# Altium PCB PCB_power_unit_1.PcbDoc
Units mm, origin at the board's own origin, x right, y up, seen from the top; angles counter-clockwise.
Board outline 73.5 x 57.52 mm, 4 copper layers (Top Layer, INT1, INT2, Bottom Layer), stack 1.49 mm thick; 98 components, 48 nets, 323 pads, 57 vias.
Unrouted connection lines stored in the file: 201.
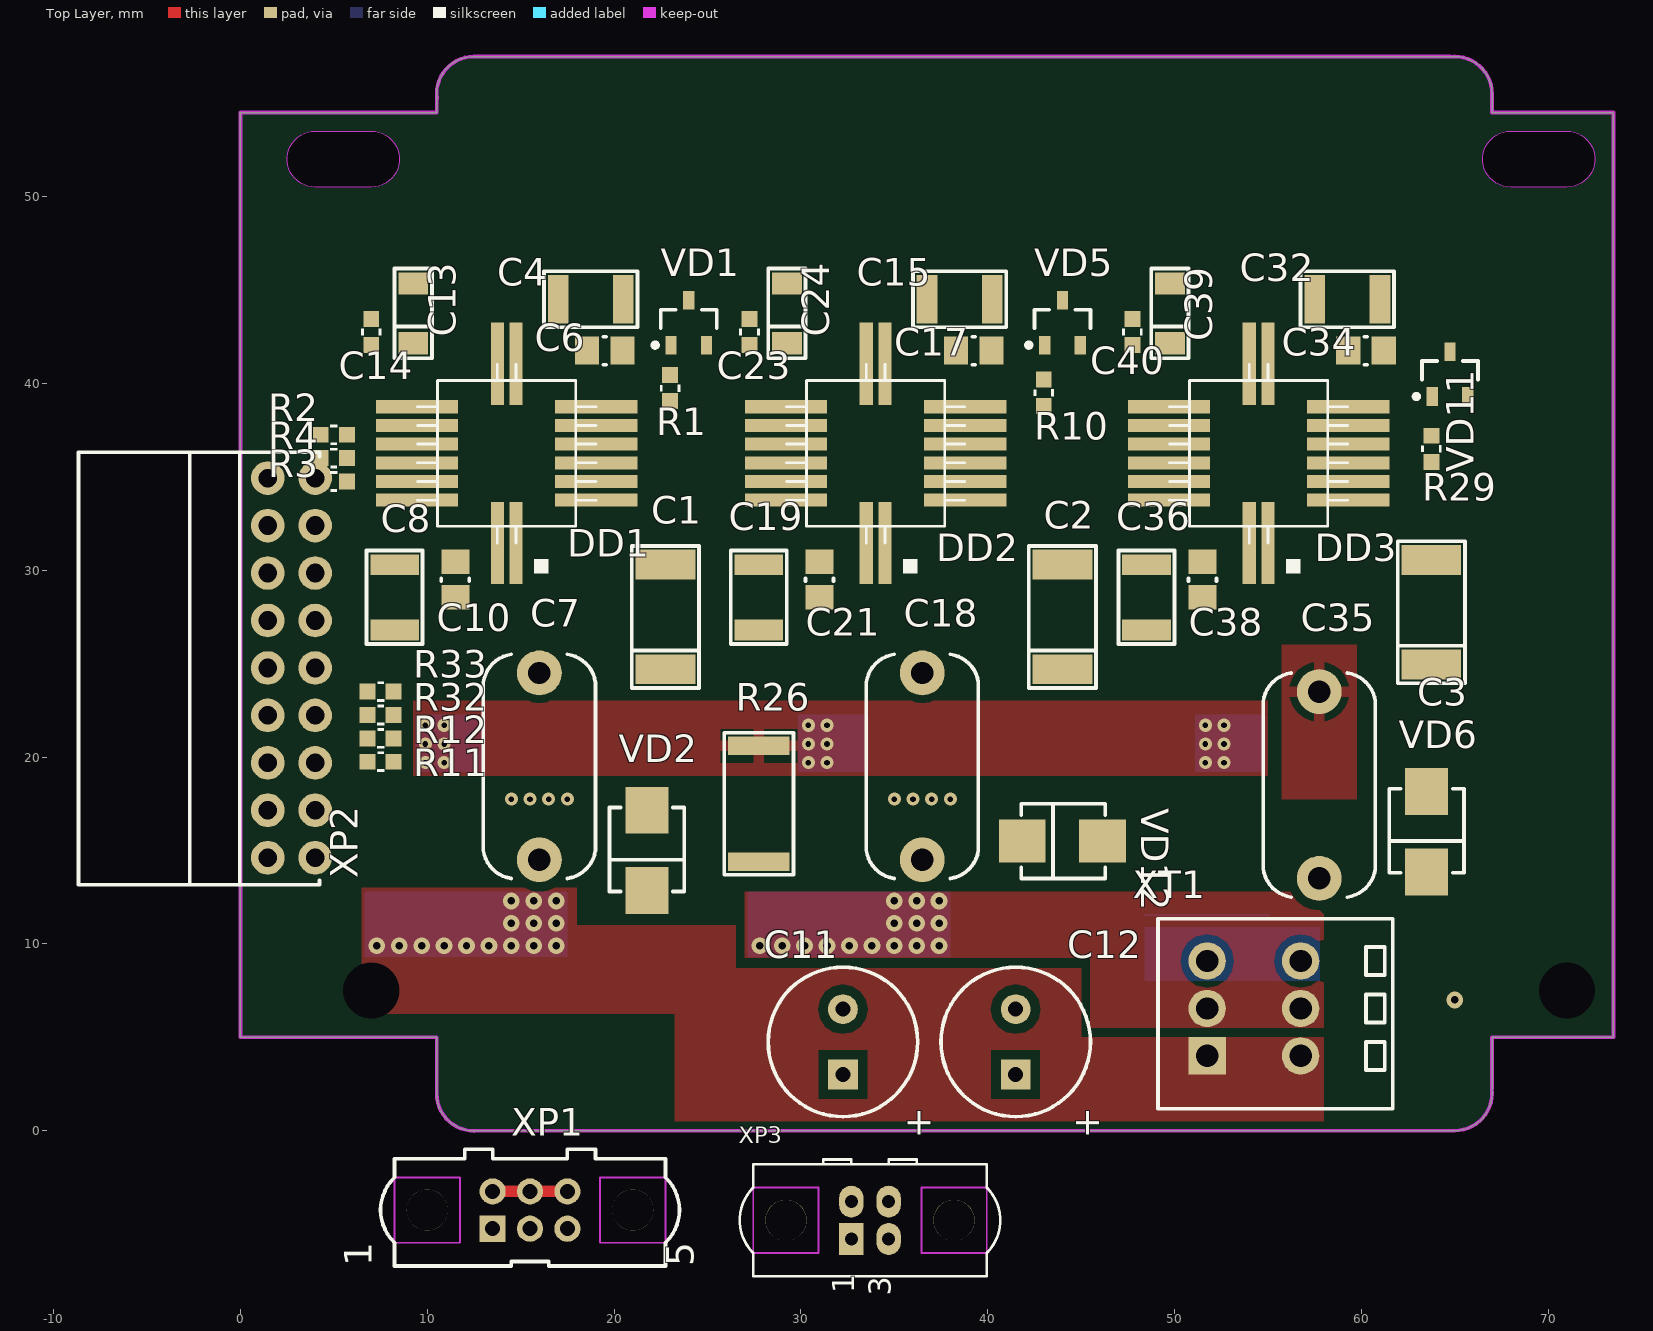
[diagram p0: Top Layer view]
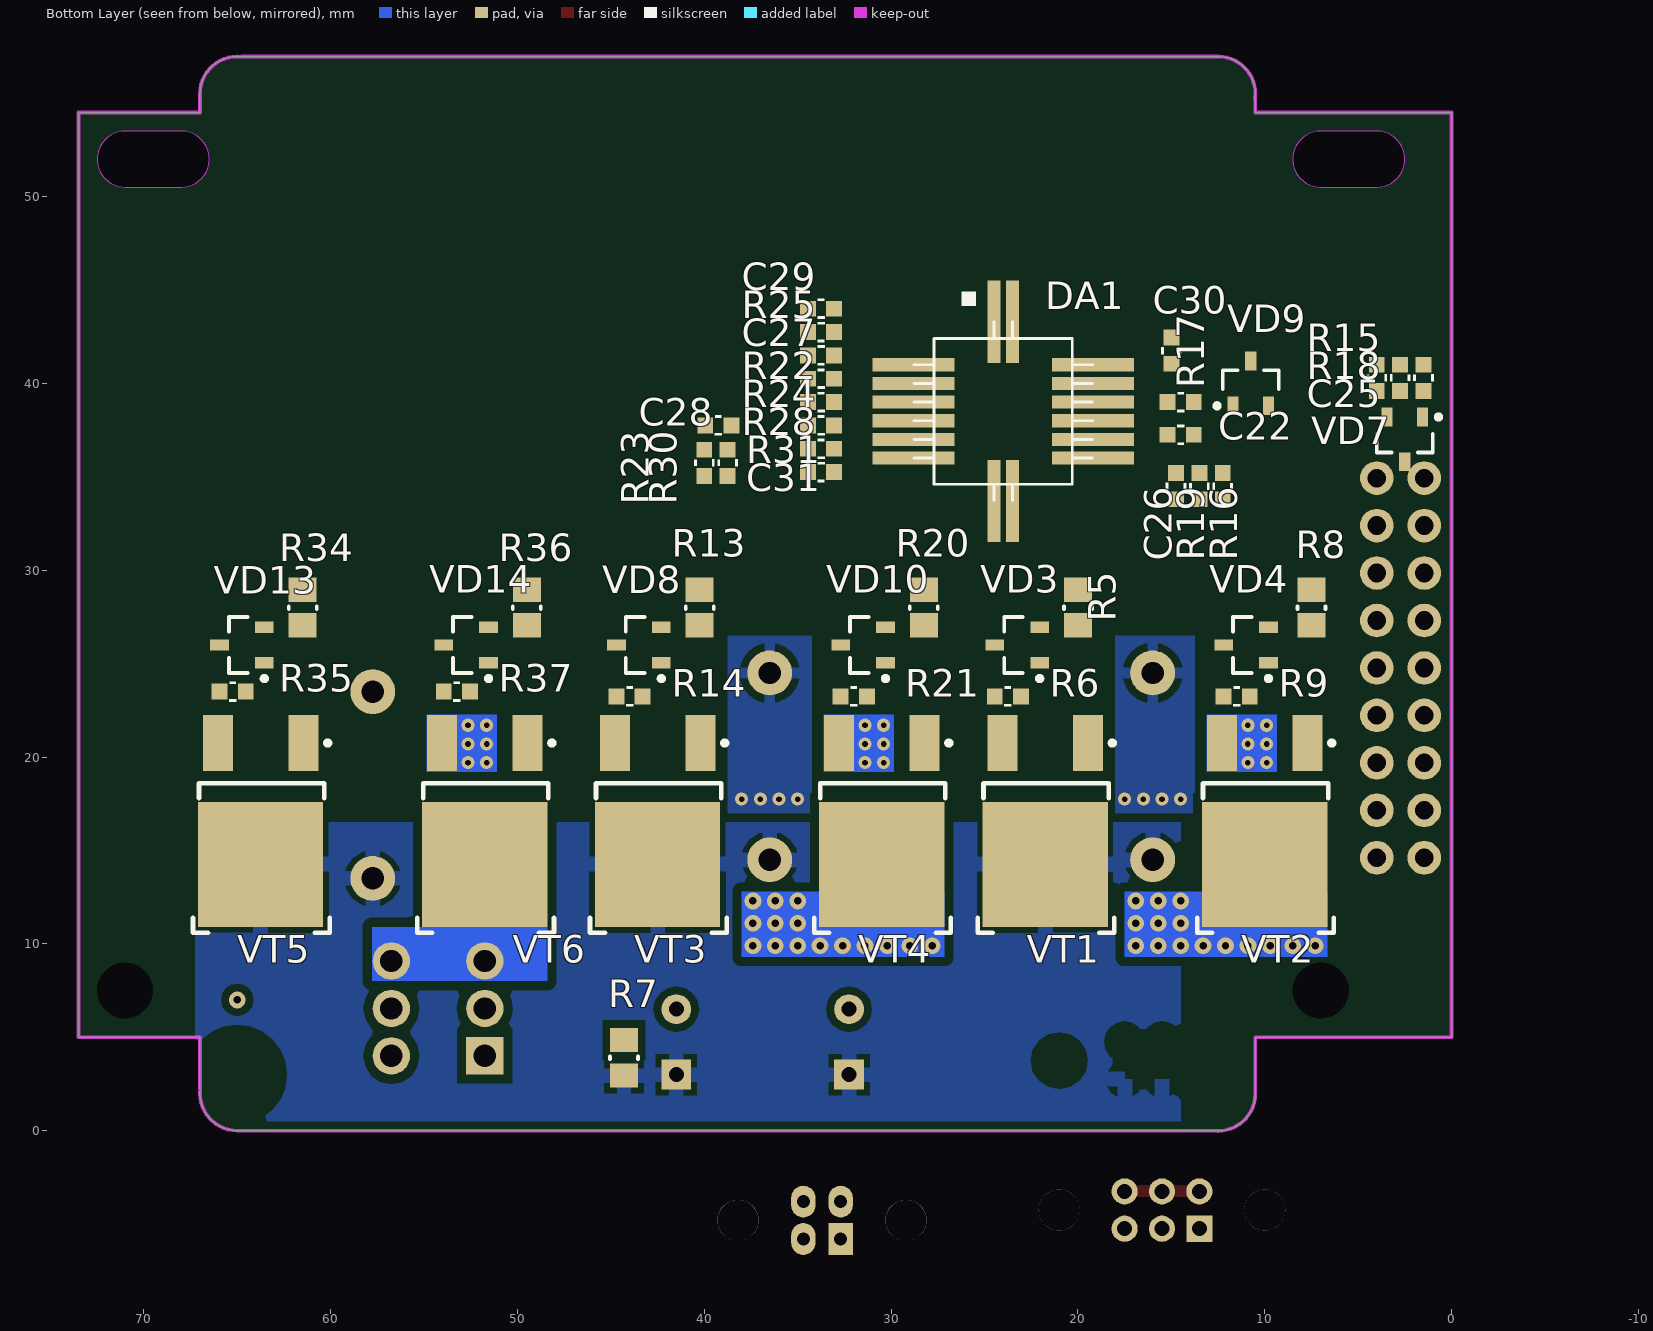
[diagram p1: Bottom Layer view, seen from below]
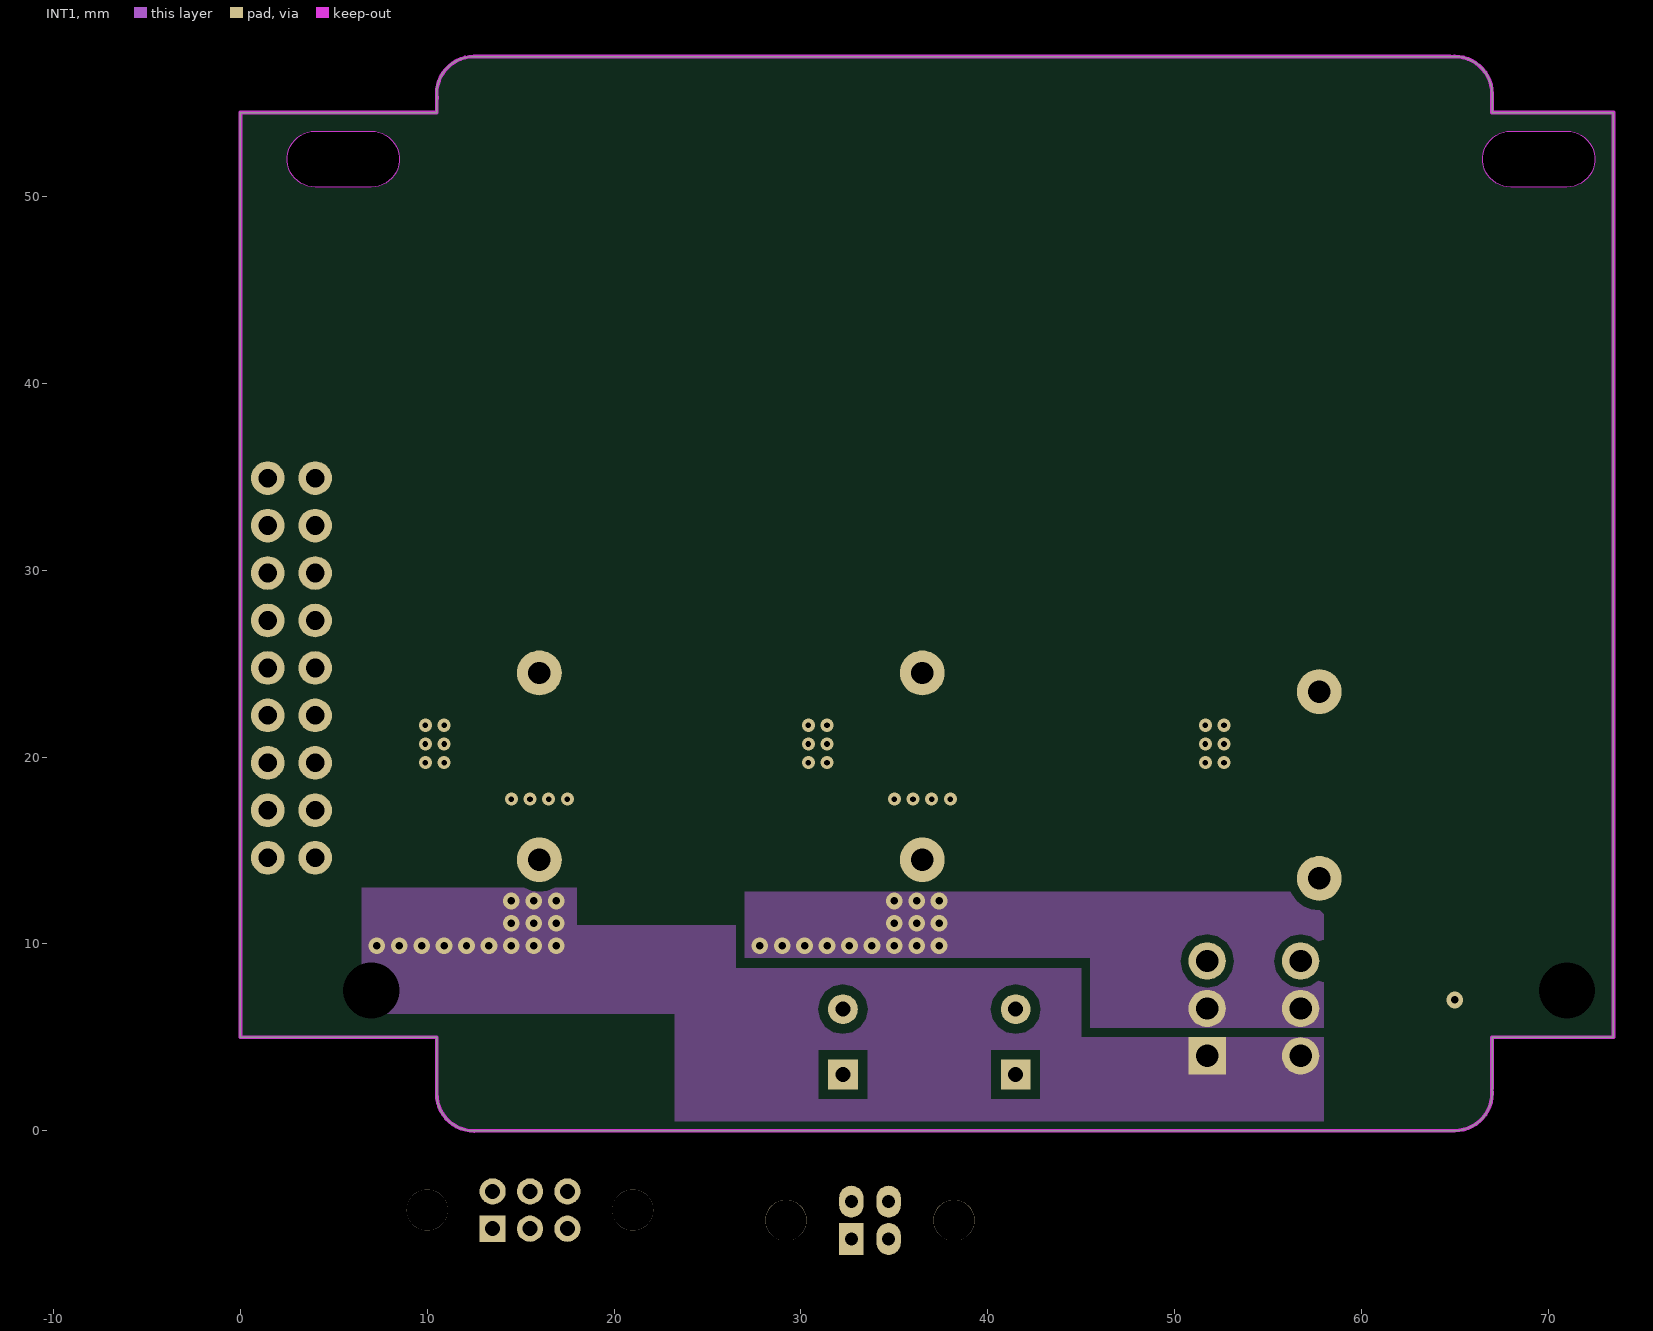
[diagram p2: INT1]
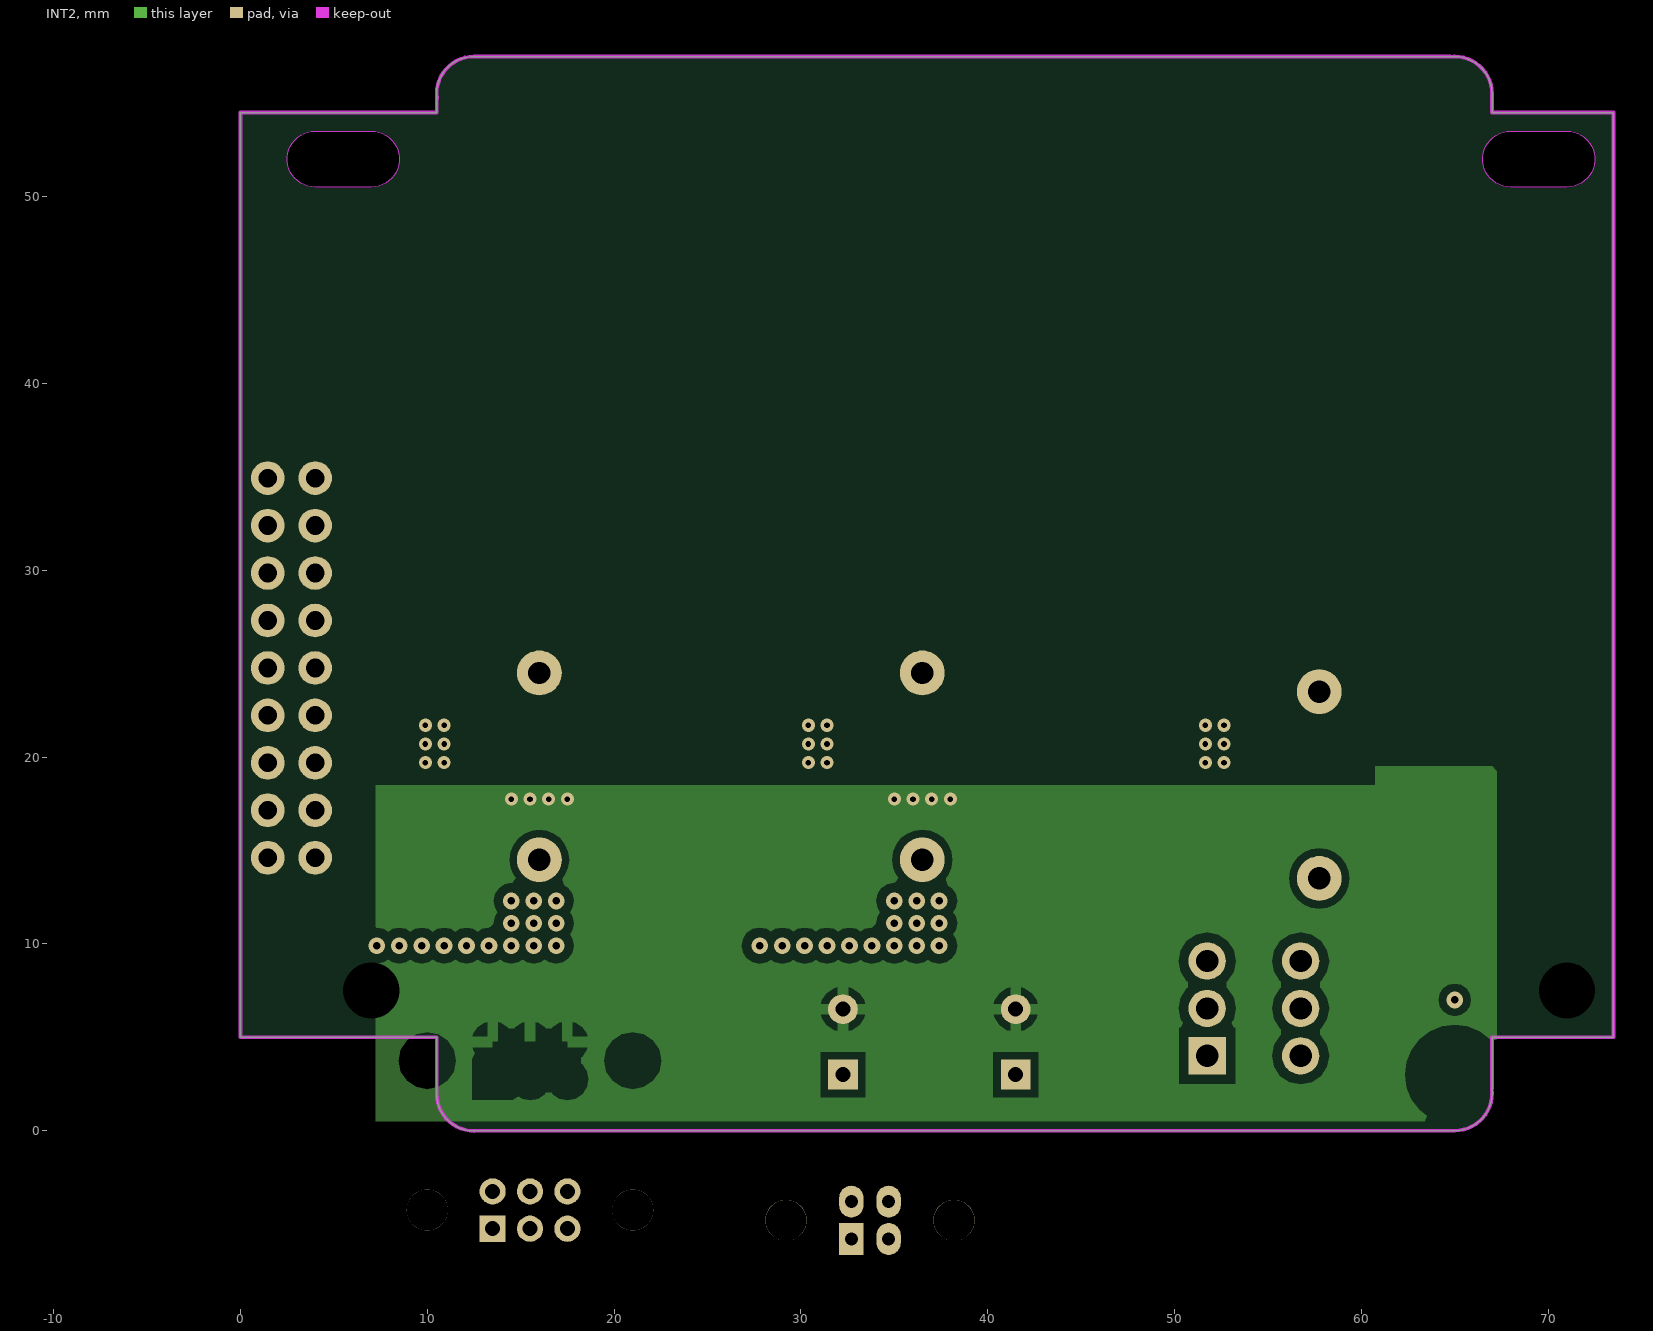
[diagram p3: INT2]

## Layer stack, top to bottom
Top Solder: solder mask 0.0102, Solder Resist, Dk 3.5
Top Layer: signal copper 0.035
PREPREG1: prepreg 0.32, 2116+7628, Dk 4.2
INT1: signal copper 0.035
CORE1: core 0.71, FR-4, Dk 4.2
INT2: signal copper 0.035
PREPREG2: prepreg 0.32, 2116+7628, Dk 4.2
Bottom Layer: signal copper 0.035
Bottom Solder: solder mask 0.0102, Solder Resist, Dk 3.5

## Board outline
10.5,1.985 10.5,5 0,5 0,54.5 10.5,54.5 10.5,55.252 10.515,55.252 cw(c12.5,55.5) 12.5,57.5 64.752,57.5 64.752,57.485 cw(c65,55.5) 67,55.5 67,54.5 73.5,54.5 73.5,5 67,5 67,2.248 66.985,2.248 cw(c65,2) 65,0 12.75,0 cw(c12.502,1.985)
cut-out: 68,53.503 71,53.503 cw(c71,52.003) 71,50.503 68,50.503 cw(c68,52.003)
cut-out: 4,53.503 7,53.503 cw(c7,52.003) 7,50.503 4,50.503 cw(c4,52.003)

## Design rules (kind name [scope] priority, off if disabled: settings)
Clearance Clearance_DCBUS-Phases [InNetClass('DCBUS') vs InNetClass('MotorPhases')] p1: gap=0.5 ignorepadtopadclearanceinfootprint=FALSE
Clearance Clearance_Polygon [InPolygon] p2: gap=0.4 ignorepadtopadclearanceinfootprint=FALSE except(0: Arc-Hole Track-Hole SMDPad-Hole THPad-Hole Via-Hole Fill-Hole Poly-Hole Region-Hole Text-Hole)
Clearance Clearance_Fill [IsFill] p3: gap=0 ignorepadtopadclearanceinfootprint=FALSE
Clearance Clearance_IsRegion [IsRegion] p4: gap=0 ignorepadtopadclearanceinfootprint=FALSE
Clearance Clearance_MultiLayerPad [OnLayer('Multi-Layer') and IsPad] p5: gap=0.25 ignorepadtopadclearanceinfootprint=FALSE
Clearance [All] p6: gap=0.2 ignorepadtopadclearanceinfootprint=FALSE except(0.25: Arc-Hole Track-Hole SMDPad-Hole THPad-Hole Via-Hole Fill-Hole Poly-Hole Region-Hole Text-Hole)
ComponentClearance ComponentClearance_harwin [InComponent('XP1')] p1: gap=0.254 collisioncheckmode=3 verticalgap=2540 showdistances=FALSE
ComponentClearance ComponentClearance_caps [HasFootprint('CAP: 1210') vs HasFootprint('CAP: 1210')] p2: gap=-1 collisioncheckmode=3 verticalgap=2540 showdistances=FALSE
ComponentClearance [All] p3: gap=0.254 collisioncheckmode=3 verticalgap=0.254 showdistances=FALSE
DiffPairsRouting [All] p1: maxlimit=0.254 minlimit=0.15 mostfreqgap=0.254 toplayer_minwidth=0.15 toplayer_maxwidth=0.381 toplayer_prefwidth=0.381 midlayer1_minwidth=0.15 midlayer1_maxwidth=0.381 midlayer1_prefwidth=0.381 midlayer2_minwidth=0.15 midlayer2_maxwidth=0.381 midlayer2_prefwidth=0.381 bottomlayer_minwidth=0.15 bottomlayer_maxwidth=0.381 bottomlayer_prefwidth=0.381 maxuncoupledlength=12.7
Height [All] p1: minheight=0 maxheight=60 prefheight=12.7
HoleSize [All] p1: absolutevalues=TRUE maxlimit=5 minlimit=0.3 maxpercent=80.000 minpercent=20.000
HoleToHoleClearance [All] p1: gap=0.2 allowstackedmicrovias=TRUE
MinimumAnnularRing MinimumAnnularRing_1 [All] p1: minimumring=0.2
MinimumSolderMaskSliver [All] p1: minsoldermaskwidth=0.15
PlaneClearance [All] p1: clearance=0.5
PlaneConnect [All] p1: planeconnectstyle=Relief reliefexpansion=0.5 reliefentries=4 reliefconductorwidth=0.3 reliefairgap=0.2
PolygonConnect PolygonConnect_PowerPAD [All vs InPadClass('PowerPAD')] p1: connectstyle=Direct reliefconductorwidth=1 reliefentries=4 polygonreliefangle="90 Angle" airgapwidth=0.3
PolygonConnect PolygonConnect_+27V [(InNet('+27V') AND InPadClass('All Pads'))] p2: connectstyle=Relief reliefconductorwidth=0.8 reliefentries=4 polygonreliefangle="90 Angle" airgapwidth=0.3
PolygonConnect PolygonConnect_Via [IsVia] p3: connectstyle=Direct reliefconductorwidth=0.254 reliefentries=4 polygonreliefangle="90 Angle" airgapwidth=0.254
PolygonConnect [All] p4: connectstyle=Relief reliefconductorwidth=0.6 reliefentries=4 polygonreliefangle="90 Angle" airgapwidth=0.4
RoutingVias [All] p1: holewidth=0.3 width=0.7 viastyle="Through Hole" minholewidth=0.3 minwidth=0.7 maxholewidth=0.5 maxwidth=1.2
SilkToSilkClearance [All] p1: silktosilkclearance=0
SilkToSolderMaskClearance [IsPad] p1: minsilkscreentomaskgap=0.005 clearancetoexposedcopper=TRUE
SolderMaskExpansion [All] p1: expansion=0.1
UnRoutedNet [All] p1 off:
UnpouredPolygon [All] p1 off:
Width [All] p1: maxlimit=10 minlimit=0.2 preferedwidth=0.6
18 further rules are at their usual default settings.

## Classes and differential pairs
pad class PowerPad: XT1-1 XT1-2 XT1-3

## Components (designator, comment, footprint, x,y, rotation, side; value= is the part's Value field where it differs from the comment)
C1 "Tantalum capacitor, 10мк, 25V, ±10%, 0.8-1Ohm, case C (6032), -60...+125°C" "CAP: TANTAL-C" 22.75,27.5 r90 top value=10мк
C2 "Tantalum capacitor, 10мк, 25V, ±10%, 0.8-1Ohm, case C (6032), -60...+125°C" "CAP: TANTAL-C" 44,27.5 r90 top value=10мк
C3 "Tantalum capacitor, 10мк, 25V, ±10%, 0.8-1Ohm, case C (6032), -60...+125°C" "CAP: TANTAL-C" 63.75,27.75 r90 top value=10мк
C4 "Ceramic capacitor, 1мк, Н20 (X7R), ±10%, 25V, 1210, -55...+125°C" "CAP: 1210" 18.75,44.5 r0 top value=1мк
C6 "Ceramic capacitor, 0.1мк, Н90 (Y5V), +80 -20%, 50V, 0805 (2012), -55...+125°C" "CAP: 0805P" 19.5,41.75 r0 top value=0.1мк
C7 "Film capacitor, 0.22мк, 63VDC, ±10%, Impedance, 12x10 mm, -60...+125°C" "CAP: K73-17 12X10X6" 16,19.5 r90 top value=0.22мк
C8 "Ceramic capacitor, 1мк, Н20 (X7R), ±10%, 25V, 1210, -55...+125°C" "CAP: 1210" 8.25,28.55 r90 top value=1мк
C10 "Ceramic capacitor, 0.1мк, Н90 (Y5V), +80 -20%, 50V, 0805 (2012), -55...+125°C" "CAP: 0805P" 11.5,29.5 r90 top value=0.1мк
C11 "Aluminium capacitor, 100мк, 63V, ±20%, 0.342Ohm@100kHz, 8x11.3x3.5 mm, -60...+100°C" "CAP: D8C3.5H12" 32.25,4.75 r90 top value=100мк
C12 "Aluminium capacitor, 100мк, 63V, ±20%, 0.342Ohm@100kHz, 8x11.3x3.5 mm, -60...+100°C" "CAP: D8C3.5H12" 41.5,4.75 r90 top value=100мк
C13 "Tantalum capacitor, 4.7мк, 10V, ±10%, 2Ohm, case A (3216), -55...+125°C" "CAP: TANTAL-A" 9.25,43.75 r90 top value=4.7мк
C14 "Ceramic capacitor, 0.1мк, H90, +80-20%, 10V, 0603, -55...+125°C" "CAP: 0603P" 7,42.75 r270 top value=0.1мк
C15 "Ceramic capacitor, 1мк, Н20 (X7R), ±10%, 25V, 1210, -55...+125°C" "CAP: 1210" 38.5,44.5 r0 top value=1мк
C17 "Ceramic capacitor, 0.1мк, Н90 (Y5V), +80 -20%, 50V, 0805 (2012), -55...+125°C" "CAP: 0805P" 39.25,41.75 r0 top value=0.1мк
C18 "Film capacitor, 0.22мк, 63VDC, ±10%, Impedance, 12x10 mm, -60...+125°C" "CAP: K73-17 12X10X6" 36.5,19.5 r90 top value=0.22мк
C19 "Ceramic capacitor, 1мк, Н20 (X7R), ±10%, 25V, 1210, -55...+125°C" "CAP: 1210" 27.75,28.55 r90 top value=1мк
C21 "Ceramic capacitor, 0.1мк, Н90 (Y5V), +80 -20%, 50V, 0805 (2012), -55...+125°C" "CAP: 0805P" 31,29.5 r90 top value=0.1мк
C22 "Ceramic capacitor, 2200, H20, ±10%, 50V, 0603, -55...+125°C" "CAP: 0603P" 14.5,37.25 r0 bottom value=2200
C23 "Ceramic capacitor, 0.1мк, H90, +80-20%, 10V, 0603, -55...+125°C" "CAP: 0603P" 27.25,42.75 r270 top value=0.1мк
C24 "Tantalum capacitor, 4.7мк, 10V, ±10%, 2Ohm, case A (3216), -55...+125°C" "CAP: TANTAL-A" 29.25,43.75 r90 top value=4.7мк
C25 "Ceramic capacitor, 2200, H20, ±10%, 50V, 0603, -55...+125°C" "CAP: 0603P" 1.5,40.3 r90 bottom value=2200
C26 "Ceramic capacitor, 2200, H20, ±10%, 50V, 0603, -55...+125°C" "CAP: 0603P" 14.75,34.5 r270 bottom value=2200
C27 "Ceramic capacitor, 47, МП0, ±10%, 50V, 0603, -55...+125°C" "CAP: 0603P" 33.75,41.5 r0 bottom value=47
C28 "Ceramic capacitor, 2200, H20, ±10%, 50V, 0603, -55...+125°C" "CAP: 0603P" 39.25,37.75 r180 bottom value=2200